# KiCad board Entrex Trapezoid Backplane v17.kicad_pcb (continued)
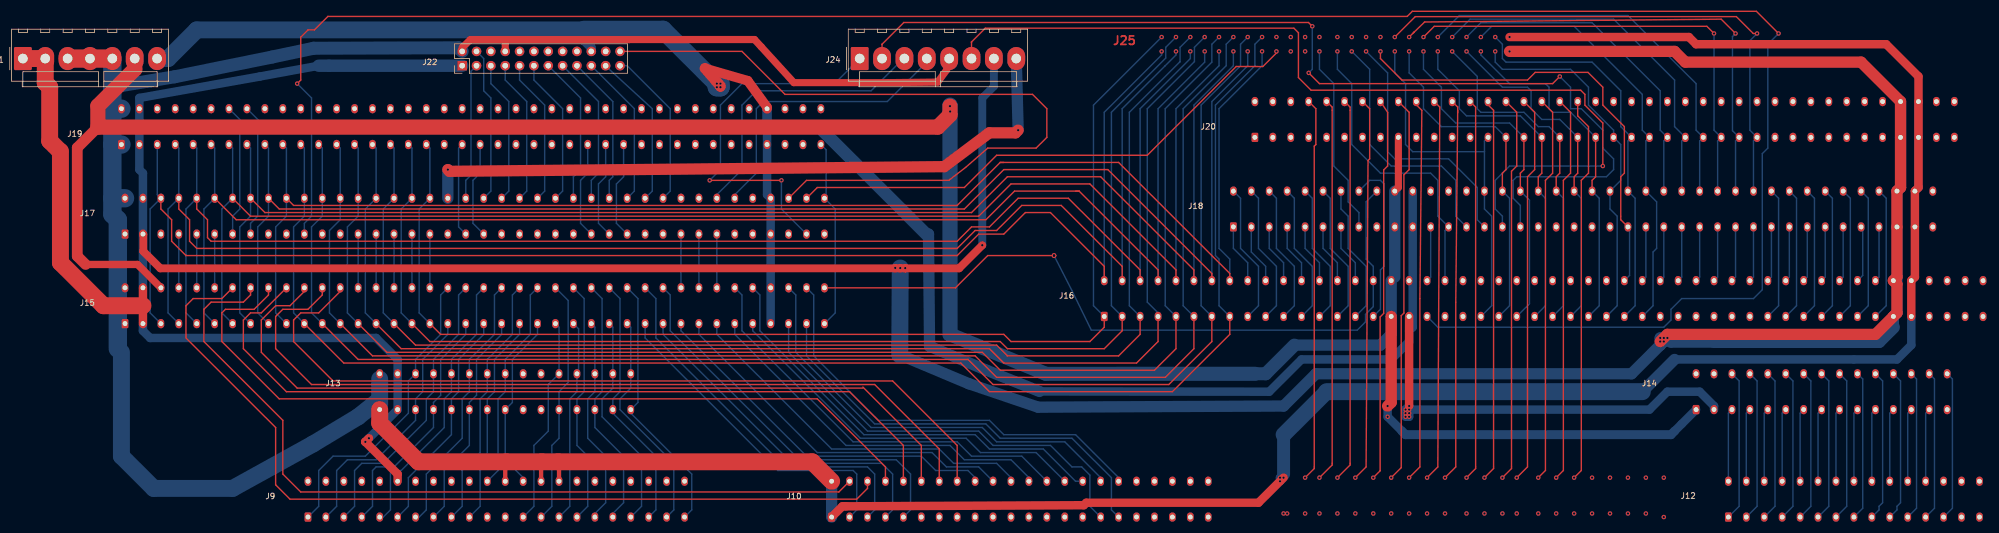
[diagram p0: board, top side]
## Routing (per net, layer and track width the routed paths; a pad name or vN(x,y) marks a point on that pad's centre or on a via; arc(x,y) is an arc through that point) (continued)
Composite_Video: length 165
  Top w0.25: v1(279.7,62.23) 279.7,69.85 276.52,73.03 276.52,74.93 275.78,75.67 228.05,75.67 225.81,77.91 225.81,85.86 225,86.67 170.39,86.67 167.92,84.2 167.94,84.18 J24.6
  Bottom w0.25: v1(279.7,62.23) 263.19,62.23 260.65,59.69 260.65,54.61 261.92,53.34 J18.31
J9_1: length 54.2
  Bottom w0.25: J15.38 73.96,39.37 73.96,32.39 69.52,27.94 J13.6 68.25,24.13 68.25,18.42 60.62,10.8 54.91,10.8 52.37,8.25 52.37,1.91 J9.1
J9_3: length 46.2
  Bottom w0.25: J15.37 75.23,32.39 70.78,27.94 70.78,22.23 69.52,20.96 J13.5 69.52,17.15 62.53,10.16 57.45,10.16 55.55,8.25 55.55,1.91 J9.3
J9_5: length 51.8
  Bottom w0.25: J9.5 58.72,1.91 58.72,8.25 59.99,9.53 63.8,9.53 71.42,17.15 71.42,20.96 72.69,22.23 J13.8 72.69,27.94 77.14,32.39 77.14,39.37 J15.40
J9_7: length 43.8
  Bottom w0.25: J9.7 61.9,1.91 61.9,8.25 62.53,8.89 65.71,8.89 72.69,15.88 J13.7 72.69,20.32 73.96,21.59 73.96,27.94 78.41,32.39 J15.39
J9_9: length 49.8
  Bottom w0.25: J15.42 80.31,39.37 80.31,32.39 75.87,27.94 J13.10 75.87,22.23 74.59,20.96 74.59,15.88 66.97,8.25 65.07,8.25 65.07,1.27 63.8,0 J9.9
J9_11: length 40.6
  Bottom w0.25: J9.11 68.25,1.91 68.25,6.99 75.87,14.61 J13.9 75.87,20.96 77.14,22.23 77.14,27.94 81.58,32.39 J15.41
J9_13: length 47.3
  Bottom w0.25: J15.44 83.49,39.37 83.49,32.39 79.04,27.94 J13.12 79.04,22.23 77.77,20.96 77.77,13.97 71.42,7.62 71.42,1.27 70.15,0 J9.13
J9_15: length 39.3
  Bottom w0.25: J9.15 74.59,1.91 74.59,8.25 79.04,12.7 J13.11 79.04,20.32 80.31,21.59 80.31,27.94 84.75,32.39 J15.43
J9_17: length 45.6
  Bottom w0.25: J15.46 86.66,39.37 86.66,32.39 82.22,27.94 J13.14 82.22,22.23 80.94,20.96 80.94,11.43 77.77,8.25 77.77,1.91 75.87,0
J9_19: length 38
  Bottom w0.25: J9.19 80.94,1.91 80.94,8.25 82.22,9.53 J13.13 82.22,20.96 83.49,22.23 83.49,27.94 87.93,32.39 J15.45
J9_22: length 38
  Bottom w0.25: 91.11,40.64 89.84,39.37 89.84,32.39 85.39,27.94 J13.16 85.39,22.23 84.12,20.96 84.12,8.25 J9.22
J9_25: length 37.2
  Bottom w0.25: J15.49 94.91,33.66 J13.22 93.01,23.5 93.01,15.24 90.47,12.7 90.47,1.91 J9.25
J9_26: length 31.6
  Bottom w0.25: 91.11,34.29 91.11,32.39 86.66,27.94 86.66,20.32 J13.15 85.39,10.16 88.56,6.99 J9.26
J9_27: length 43.6
  Bottom w0.25: J9.27 93.65,1.91 93.65,12.7 94.91,13.97 J13.21 94.91,22.23 96.53,23.84 96.53,38.39 J15.50
J9_29: length 36.1
  Bottom w0.25: J9.29 96.82,1.91 96.82,20.96 98.09,22.23 J13.24 98.38,25.69 98.38,33.37 J15.51
J9_31: length 43.5
  Bottom w0.25: J15.52 99.36,38.74 99.36,22.23 98.09,20.96 J13.23 98.09,12.7 100,10.8 100,1.91 J9.31
J9_33: length 37.2
  Bottom w0.25: 101.27,0 101.27,0.64 103.17,2.54 103.17,10.8 100,13.97 100,20.96 101.27,22.23 J13.26 101.27,33.66 J15.53
J9_35: length 44.8
  Bottom w0.25: J9.35 104.44,0.64 106.34,2.54 106.34,10.8 101.27,15.88 J13.25 101.27,20.96 102.53,22.23 102.53,38.74 J15.54
J9_37: length 39
  Bottom w0.25: J9.37 109.52,1.91 109.52,10.8 102.53,17.78 102.53,20.96 104.44,22.86 J13.28 104.44,33.66 J15.55
J9_39: length 45.6
  Bottom w0.25: J9.39 112.06,1.27 112.06,10.8 104.44,18.42 J13.27 104.44,20.96 105.71,22.23 105.71,38.74 J15.56
J9_41: length 39.8
  Bottom w0.25: J15.57 107.62,33.66 J13.30 107.62,22.86 105.71,20.96 105.71,19.05 115.24,9.53 115.24,1.27 J9.41
J9_43: length 47
  Bottom w0.25: J15.58 108.89,38.74 108.89,20.32 J13.29 107.62,18.42 118.41,7.62 118.41,1.27 J9.43
J10_3_Prntr: length 58.1
  Bottom w0.25: J10.3 147.62,1.27 147.62,7.62 146.98,8.25 133.65,8.25 110.16,31.75 J15.59
J10_4_Prntr: length 148
  Top w0.25: J15.16 40.31,39.37 39.03,38.1 33.32,38.1 32.05,36.83 32.05,31.12 46.02,17.15 46.02,7.62 49.19,4.44 144.45,4.44 J10.4
J10_5_Prntr: length 66.6
  Bottom w0.25: J15.60 112.06,38.74 112.06,31.75 134.92,8.89 149.53,8.89 150.79,7.62 150.79,1.27 J10.5
J10_6_Prntr: length 155.8
  Top w0.25: J15.14 35.22,38.74 30.15,38.74 28.88,37.47 28.88,31.75 44.75,15.88 44.75,5.72 47.29,3.18 147.62,3.18 149.53,5.08 J10.6
J10_7_Prntr: length 60.9
  Bottom w0.25: J10.7 153.97,1.27 153.97,7.62 152.07,9.53 136.19,9.53 113.33,32.39 J15.61
J10_8_Prntr: length 145.1
  Top w0.25: J15.18 43.48,39.37 40.94,36.83 35.86,36.83 35.22,36.2 35.22,31.12 45.39,20.96 140.64,20.96 152.7,8.89 J10.8
J10_9_Prntr: length 69.4
  Bottom w0.25: J10.9 157.15,1.27 157.15,7.62 154.6,10.16 137.46,10.16 114.6,33.02 114.6,39.37 J15.62
J10_10_Prntr: length 145.4
  Top w0.25: J15.20 42.21,36.2 40.31,36.2 39.03,34.93 39.03,29.85 46.66,22.23 146.35,22.23 155.88,12.7 J10.10
J10_12_Prntr: length 146.2
  Top w0.25: 148.71,23.05 159.05,12.7 J10.12 ; 148.71,22.86 48.56,22.86 42.21,29.21 42.21,34.93 44.75,37.47 47.29,37.47 49.83,40.01 J15.22
J10_14_Prntr: length 147.4
  Top w0.25: J15.24 53,39.37 50.47,36.83 46.02,36.83 44.75,35.56 44.75,29.85 51.1,23.5 150.79,23.5 162.22,12.07 J10.14
J10_16_Prntr: length 146.3
  Top w0.25: J10.16 165.4,12.7 153.97,24.13 54.91,24.13 47.93,31.12 47.93,34.93 49.19,36.2 52.37,36.2 56.18,40.01 J15.26
J10_18_Prntr: length 64.8
  Bottom w0.25: J15.63 116.5,33.02 138.73,10.8 159.05,10.8 161.59,8.25 167.3,8.25 168.58,6.99 J10.18
J10_20_Prntr: length 64.8
  Bottom w0.25: J10.20 169.21,8.89 163.5,8.89 160.96,11.43 140.64,11.43 119.68,32.39 J15.65
J10_22_Prntr: length 65.1
  Bottom w0.25: J10.22 174.92,6.99 172.39,9.53 164.77,9.53 162.22,12.07 143.17,12.07 122.86,32.39 J15.67
J10_24_Prntr: length 65.1
  Bottom w0.25: J10.24 178.1,6.99 174.92,10.16 166.67,10.16 164.13,12.7 145.72,12.7 126.03,32.39 J15.69
J10_26_Prntr: length 73.2
  Bottom w0.25: J10.26 176.83,10.8 167.94,10.8 165.4,13.34 146.98,13.34 127.3,33.02 127.3,39.37 J15.70
J10_28_Prntr: length 67.6
  Bottom w0.25: J10.28 179.37,11.43 169.53,11.43 166.99,13.97 148.26,13.97 129.21,33.02 J15.71
J10_30_Prntr: length 76.3
  Bottom w0.25: J10.30 186.35,6.35 180.64,12.07 171.11,12.07 168.58,14.61 148.89,14.61 130.47,33.02 130.47,39.37 J15.72
J10_31_Prntr: length 75.7
  Bottom w0.25: J10.31 188.9,1.91 188.9,7.43 187.44,8.89 185.72,8.89 181.91,12.7 171.75,12.7 169.21,15.24 149.53,15.24 135.56,29.21 J15.75
J10_32_Prntr: length 75.8
  Bottom w0.25: J10.32 190.8,6.99 184.45,13.34 172.39,13.34 169.84,15.88 150.16,15.88 136.83,29.21 136.83,39.37 J15.76
J10_33_Prntr: length 76.1
  Bottom w0.25: 193.97,0 192.71,1.27 192.71,6.99 185.72,13.97 173.02,13.97 170.48,16.51 150.79,16.51 138.73,28.58 J15.77
J10_34_Prntr: length 76.1
  Bottom w0.25: 193.97,6.35 193.97,6.99 189.53,11.43 ; 189.53,11.43 186.35,14.61 173.66,14.61 171.11,17.15 151.43,17.15 140,28.58 140,39.37 J15.78
J12_1: length 26.7
  Bottom w0.25: J12.1 303.83,1.91 303.83,24.13 J14.6
J12_2: length 13
  Bottom w0.25: J14.5 301.92,18.42 J12.2
J12_3: length 26.7
  Bottom w0.25: J12.3 307,1.91 307,24.13 J14.8
J12_4: length 13
  Bottom w0.25: J14.7 305.1,18.42 J12.4
J12_5: length 26.7
  Bottom w0.25: J14.10 310.18,24.13 310.18,1.91 J12.5
J12_6: length 13
  Bottom w0.25: J12.6 308.27,18.42 J14.9
J12_7: length 26.7
  Bottom w0.25: J14.12 313.36,24.13 313.36,1.91 J12.7
J12_8: length 13
  Bottom w0.25: J12.8 311.45,18.42 J14.11
J12_9: length 26.7
  Bottom w0.25: J12.9 316.53,1.91 316.53,24.13 J14.14
J12_10: length 13
  Bottom w0.25: J14.13 314.62,18.42 J12.10
J12_11: length 26.7
  Bottom w0.25: J12.11 319.71,1.91 319.71,24.13 J14.16
J12_12: length 13
  Bottom w0.25: J12.12 317.8,18.42 J14.15
J12_13: length 26.7
  Bottom w0.25: 320.98,0 322.88,1.91 322.88,24.13 J14.18
J12_14: length 13
  Bottom w0.25: 320.98,6.35 320.98,18.42 J14.17
J12_15: length 26.4
  Bottom w0.25: J12.15 325.71,1.56 325.71,24.48 J14.20
J12_16: length 13
  Bottom w0.25: J12.16 324.15,18.42 J14.19
J12_17: length 26.7
  Bottom w0.25: J12.17 328.6,1.27 328.6,1.91 329.23,2.54 329.23,24.13 J14.22
J12_18: length 13
  Bottom w0.25: J14.21 327.33,18.42 J12.18
J12_19: length 26.7
  Bottom w0.25: J14.24 332.4,24.13 332.4,2.54 331.77,1.91 331.77,1.27 J12.19
J12_20: length 13
  Bottom w0.25: J12.20 330.5,18.42 J14.23
J12_21: length 26.4
  Bottom w0.25: J14.26 335.24,24.48 335.24,1.56 333.67,0
J12_22: length 13
  Bottom w0.25: J14.25 333.67,18.42 333.67,6.35
J12_23: length 26.4
  Bottom w0.25: J14.28 338.41,24.48 338.41,1.56 J12.23
J12_24: length 13
  Bottom w0.25: J12.24 336.85,18.42 J14.27
J12_25: length 26.4
  Bottom w0.25: J14.30 341.59,24.48 341.59,1.56 J12.25
J16_37: length 412.5
  Top w0.25: v1(48.56,76.84) 49.19,77.47 49.19,85.09 50.47,86.36 51.61,86.36 54,88.75 245.07,88.75 245.98,89.66 306.88,89.66 v1(310.82,85.73)
  Bottom w0.25: J16.37 250.49,33.66 290.5,33.66 291.76,34.93 291.76,36.83 293.67,38.74 306.37,38.74 307.93,40.3 307.93,64.43 308.91,65.41 308.91,83.82 v1(310.82,85.73) ; J17.21 49.83,52.07 51.1,53.34 51.1,74.3 v1(48.56,76.84)
J17_6: length 262.6
  Top w0.25: J16.2 191.44,44.45 181.91,53.98 177.47,53.98 173.66,50.17 169.21,50.17 165.4,46.36 28.88,46.36 26.34,48.9 26.34,52.71 24.43,54.61 J17.6
  Bottom w0.25: J16.2 191.44,71.76 201.59,81.92 v1(201.59,82.55) ; J19.5 23.8,57.15 J17.6 22.53,54.61 22.53,36.2 J15.5
J17_7: length 9.5
  Bottom w0.25: 27.61,50.17 27.61,40.64
J17_8: length 262.4
  Top w0.25: J16.4 194.61,44.45 183.82,55.25 176.83,55.25 172.39,50.8 168.58,50.8 165.4,47.62 30.78,47.62 29.51,48.9 29.51,52.71 27.61,54.61 27.61,56.52
  Bottom w0.25: J16.4 194.61,72.39 202.23,80.01 202.23,80.01 204.14,81.91 v1(204.14,82.55) ; J19.7 27.61,65.41 27.61,56.52 25.7,54.61 25.7,36.2 27.61,34.29
J17_9: length 9.5
  Bottom w0.25: J17.9 J15.10
J17_10: length 261.4
  Top w0.25: J16.6 197.78,43.82 185.09,56.52 176.2,56.52 171.11,51.44 167.94,51.44 165.4,48.9 33.32,48.9 32.69,49.53 32.69,52.71 30.78,54.61 J17.10
  Bottom w0.25: J16.6 197.78,72.39 206.67,81.28 v1(206.67,82.55) ; J19.9 30.78,65.41 J17.10 28.88,54.61 28.88,36.2 J15.9
J17_11: length 9.5
  Bottom w0.25: J17.11 J15.12
J17_12: length 256.7
  Top w0.25: 186.99,57.79 200.96,43.82 J16.8 ; 186.99,57.79 175.56,57.79 170.48,52.71 37.77,52.71 J17.12 ; 186.99,57.79 186.35,57.79
  Bottom w0.25: J19.11 33.96,65.41 J17.12 32.05,54.61 32.05,36.2 J15.11 ; v1(209.22,82.55) 209.22,80.65 200.96,72.39 J16.8
J17_13: length 23.5
  Bottom w0.25: J17.13 37.13,53.34 38.4,54.61 38.4,70.49 J19.14
J17_14: length 256.3
  Top w0.25: J17.14 40.31,53.34 169.21,53.34 174.92,59.06 188.9,59.06 204.14,43.82 J16.10
  Bottom w0.25: v1(211.76,82.55) 211.76,80.01 204.14,72.39 J16.10 ; J15.13 35.22,36.2 35.22,54.61 J17.14 37.13,65.41 J19.13
J17_15: length 23.5
  Bottom w0.25: J19.16 41.58,70.49 41.58,53.34 40.31,52.07 J17.15
J17_16: length 256.6
  Top w0.25: J17.16 42.84,53.98 167.94,53.98 174.29,60.33 190.8,60.33 207.31,43.82 J16.12
  Bottom w0.25: J19.15 40.31,65.41 J17.16 40.31,53.34 38.4,51.44 38.4,36.2 J15.15 ; v1(214.29,82.55) 214.29,80.01 207.31,73.03 J16.12
J17_18: length 256.4
  Top w0.25: J16.14 210.48,43.18 192.07,61.6 173.66,61.6 166.67,54.61 45.39,54.61 J17.18
  Bottom w0.25: J19.17 43.48,65.41 J17.18 43.48,53.34 41.58,51.44 41.58,36.2 J15.17 ; v1(216.84,82.55) 216.84,80.01 210.48,73.66 J16.14
J17_20: length 258.9
  Top w0.25: 173.02,62.87 193.97,62.87 213.66,43.18 J16.16 ; 173.02,62.87 173.66,62.87 ; 173.02,62.87 165.4,55.25 47.93,55.25 J17.20
  Bottom w0.25: J16.16 213.66,45.72 211.76,47.62 211.76,72.39 219.38,80.01 v1(219.38,82.55) ; J15.19 44.75,36.2 44.75,51.44 46.66,53.34 J17.20 46.66,65.41 J19.19
J17_22: length 263.8
  Top w0.25: J16.15 213.66,32.39 203.5,22.23 171.11,22.23 166.03,27.31 56.81,27.31 J15.21
  Bottom w0.25: J15.21 47.93,36.2 47.93,51.44 49.83,53.34 J17.22 49.83,65.41 49.19,66.04 ; J16.15 211.76,37.47 211.76,45.72 211.12,46.36 211.12,73.03 218.1,80.01 218.1,83.82 v1(219.38,85.09)
J17_24: length 256.9
  Top w0.25: J16.13 210.48,31.12 202.86,23.5 171.75,23.5 167.3,27.94 59.36,27.94 J15.23
  Bottom w0.25: J16.13 208.58,37.47 208.58,73.03 215.57,80.01 215.57,83.82 v1(216.84,85.09) ; J19.23 53,65.41 J17.24 53,53.34 51.1,51.44 51.1,36.2 J15.23
J17_26: length 250.5
  Top w0.25: J16.11 207.31,29.85 202.23,24.77 172.39,24.77 168.58,28.58 61.9,28.58 J15.25
  Bottom w0.25: v1(214.29,85.09) 213.03,83.82 213.03,80.01 205.41,72.39 205.41,37.47 J16.11 ; J19.25 56.18,65.41 J17.26 56.18,52.71 54.28,50.8 54.28,36.2 J15.25
J17_27: length 9.5
  Bottom w0.25: J17.27 J15.28
J17_28: length 243.3
  Top w0.25: J15.27 64.44,29.21 169.84,29.21 173.02,26.04 200.33,26.04 204.14,29.85 J16.9
  Bottom w0.25: J19.27 59.36,65.41 J17.28 59.36,53.34 57.45,51.44 57.45,36.2 J15.27 ; v1(211.76,85.09) 210.48,83.82 210.48,80.65 202.23,72.39 202.23,37.47 J16.9
J17_29: length 9.5
  Bottom w0.25: J17.29 J15.30
J17_30: length 235.5
  Top w0.25: J16.7 200.96,31.12 197.15,27.31 173.66,27.31 171.11,29.85 66.97,29.85 J15.29
  Bottom w0.25: v1(209.22,85.09) 207.4,83.28 207.4,80.74 199.05,72.39 199.05,38.1 200.96,36.2 J16.7 ; J15.29 60.62,36.2 60.62,54.61 J17.30 62.53,65.41 J19.29
J17_31: length 9.5
  Bottom w0.25: J17.31 J15.32
J17_32: length 227.6
  Top w0.25: J16.5 197.78,32.39 193.97,28.58 174.29,28.58 172.39,30.48 69.52,30.48 J15.31
  Bottom w0.25: J16.5 195.88,37.47 195.88,71.75 204.77,80.64 204.77,80.65 204.86,80.74 204.86,83.28 v1(206.67,85.09) ; J15.31 63.8,36.2 63.8,54.61 J17.32 65.71,65.41 J19.31
J17_33: length 9.5
  Bottom w0.25: J17.33 J15.34
J17_34: length 220.1
  Top w0.25: J16.3 194.61,33.02 191.44,29.85 174.29,29.85 173.02,31.12 72.06,31.12 J15.33
  Bottom w0.25: v1(204.14,85.09) 202.32,83.28 202.32,81.37 192.71,71.76 192.71,37.47 J16.3 ; J15.33 66.97,36.2 66.97,54.61 J17.34 68.88,65.41 J19.33
J17_35: length 9.5
  Bottom w0.25: J17.35 J15.36
J17_36: length 212.6
  Top w0.25: J16.1 191.44,33.66 188.9,31.12 174.92,31.12 173.66,32.39 73.96,32.39 J15.35
  Bottom w0.25: v1(201.59,85.09) 189.53,73.03 189.53,37.47 J16.1 ; J19.35 72.06,65.41 J17.36 70.15,54.61 70.15,36.2 J15.35
J17_39: length 16.7
  Bottom w0.25: J17.39 77.14,51.44 77.14,65.41 J19.39
J17_41: length 17.2
  Bottom w0.25: J17.41 79.68,52.07 79.68,59.69 80.94,60.96 J19.41
J17_53: length 17.2
  Bottom w0.25: J17.53 98.72,52.07 98.72,59.69 100,60.96 J19.53
J17_55: length 17.2
  Bottom w0.25: J17.55 101.9,52.07 101.9,59.06 103.17,60.33 J19.55
J17_57: length 17.2
  Bottom w0.25: J19.57 106.34,60.33 105.08,59.06 105.08,52.07 J17.57
J17_63: length 9.5
  Bottom w0.25: J17.63 J15.64
J17_65: length 9.5
  Bottom w0.25: J17.65 J15.66
J17_67: length 9.5
  Bottom w0.25: J17.67 J15.68
J17_78: length 94.1
  Top w0.25: J17.78 140.64,58.42 166.67,58.42 172.39,64.14 199.05,64.14 214.79,79.87 216.84,79.87 219.51,79.86 221.91,82.27 v1(221.91,82.55)
J17_80: length 33.8
  Bottom w0.25: J19.79 142.2,65.12 142.2,56.81 J17.80 143.81,54.61 143.81,36.2 J15.79
J18_1: length 10.6
  Bottom w0.25: J16.18 216.84,45.09 214.29,47.62 214.29,51.44
J18_2: length 24.9
  Bottom w0.25: 214.29,57.79 215.57,56.52 215.57,47.62 218.74,44.45 218.74,37.47 J16.17
J18_3: length 10.6
  Bottom w0.25: J18.3 217.47,46.99 220.01,44.45 J16.20
J18_4: length 24.9
  Bottom w0.25: J16.19 221.91,37.47 221.91,44.45 218.74,47.62 218.74,56.52 217.47,57.79
J18_5: length 10.6
  Bottom w0.25: J16.22 223.19,45.09 220.65,47.62 J18.5
J18_6: length 24.9
  Bottom w0.25: J16.21 225.09,37.47 225.09,44.45 221.91,47.62 221.91,56.52 220.65,57.79
J18_7: length 10.6
  Bottom w0.25: J18.7 223.82,47.62 226.36,45.09 J16.24
J18_8: length 24.9
  Bottom w0.25: 223.82,57.79 225.09,56.52 225.09,47.62 228.27,44.45 228.27,37.47 J16.23
J18_9: length 10.6
  Bottom w0.25: J16.26 229.53,45.09 227,47.62 J18.9
J18_10: length 24.9
  Bottom w0.25: 227,57.79 228.27,56.52 228.27,47.62 231.44,44.45 231.44,37.47 J16.25
J18_11: length 10.6
  Bottom w0.25: J16.28 232.71,45.09 230.17,47.62 J18.11
J18_12: length 24.9
  Bottom w0.25: J16.27 234.61,37.47 234.61,44.45 231.44,47.62 231.44,56.52 230.17,57.79
J18_13: length 10.6
  Bottom w0.25: J16.30 235.89,45.09 233.34,47.62 J18.13
J18_14: length 24.9
  Bottom w0.25: 233.34,57.79 233.34,54.61 234.61,53.34 234.61,47.62 237.79,44.45 237.79,37.47 J16.29
J18_15: length 34
  Bottom w0.25: J18.15 236.52,53.98 234.61,55.88 234.61,59.69 232.08,62.23 232.08,76.84 229.53,79.38 v1(229.53,82.55)
J18_16: length 29.8
  Bottom w0.25: 236.52,57.79 238.42,59.69 240.33,59.69 240.97,59.06 240.97,44.45 240.33,43.82 240.33,36.83 J16.31
J18_18: length 132
  Top w0.25: J15.80 165.09,40.64 170.8,46.36 v1(182.54,46.36)
  Bottom w0.25: v1(182.54,46.36) 185.7,40.18 189.15,33.13 236.21,33.13 237.69,34.61 237.69,35.93 239.06,37.3 J16.32 239.06,44.45 237.79,45.72 237.79,55.88 239.7,57.79
J18_23: length 9.8
  Bottom w0.25: J16.38 249.22,42.55 J18.23
J18_25: length 54.3
  Bottom w0.25: J16.40 251.76,50.8 J18.25 250.49,53.34 250.49,59.69 249.22,60.96 240.33,60.96 235.25,66.04 235.25,76.84 232.71,79.38 v1(232.71,82.55)
J18_27: length 44.7
  Bottom w0.25: J18.27 253.66,53.34 253.66,59.69 251.13,62.23 242.23,62.23 238.42,66.04 238.42,79.38 v1(235.25,82.55)
J18_29: length 45.4
  Bottom w0.25: J18.29 257.48,52.71 257.48,58.42 252.4,63.5 242.87,63.5 241.6,64.77 241.6,78.74 v1(237.79,82.55)
J18_30: length 65.1
  Bottom w0.25: J16.43 260.01,37.47 260.01,53.34 258.75,54.61 258.75,64.77 ; 258.75,64.77 258.75,66.68 J20.27 ; 258.75,64.77 246.04,64.77 244.78,66.04 244.78,76.84 242.87,78.74 v1(242.87,82.55)
J18_32: length 61.2
  Top w0.25: J20.29 262.55,61.6 261.92,60.96 261.92,57.79
  Bottom w0.25: 261.92,57.79 263.19,56.52 263.19,37.47 J16.45 ; v1(245.41,82.55) 245.41,78.74 247.95,76.2 247.95,72.39 251.13,69.22 260.65,69.22 J20.29
J18_34: length 61.8
  Top w0.25: J20.31 265.73,61.6 265.1,60.96 265.1,57.79
  Bottom w0.25: J16.47 266.71,37.81 266.71,56.17 265.1,57.79 ; J20.31 263.19,69.85 253.66,69.85 251.13,72.39 251.13,76.2 247.95,79.38 v1(247.95,82.55)
J18_36: length 61.8
  Top w0.25: 268.27,57.79 268.27,60.33 268.9,60.96 J20.33
  Bottom w0.25: v1(250.49,82.55) 250.49,79.38 254.3,75.56 254.3,72.39 255.57,71.12 265.1,71.12 J20.33 ; 268.27,57.79 269.54,56.52 269.54,37.47 J16.49
J18_38: length 62
  Top w0.25: 271.45,57.79 271.45,60.33 272.08,60.96 J20.35
  Bottom w0.25: v1(253.03,82.55) 257.48,78.11 257.48,72.39 258.11,71.76 265.73,71.76 268.27,69.22 270.17,69.22 J20.35 ; J16.51 272.72,37.47 272.72,56.52 271.45,57.79
J18_40: length 61.3
  Top w0.25: J20.37 275.25,60.96 274.62,60.33 274.62,57.79
  Bottom w0.25: 274.62,57.79 275.89,56.52 275.89,37.47 J16.53 ; 255.66,82.46 v1(255.57,82.55) 261.92,76.2 266.37,76.2 267,75.56 267,72.39 268.9,70.49 272.08,70.49 J20.37
J18_42: length 62.6
  Top w0.25: 277.79,57.79 277.79,59.69 278.43,60.33 J20.39
  Bottom w0.25: J16.55 279.07,37.47 279.07,56.52 277.79,57.79 ; J20.39 273.99,71.76 270.81,71.76 270.17,72.39 270.17,76.2 269.54,76.84 263.19,76.84 258.11,81.92 v1(258.11,82.55)
J18_44: length 65.4
  Bottom w0.25: v1(260.65,82.55) 260.65,80.65 261.92,79.38 273.99,79.38 277.16,76.2 277.16,73.03 281.61,68.58 J20.41 282.88,66.04 282.88,59.69 280.97,57.79 280.97,54.61 282.24,53.34 282.24,37.47 J16.57
J18_45: length 81
  Top w0.25: v1(240.33,82.55) 240.33,81.28 244.14,77.47 266.37,77.47 267.73,78.83 277.07,78.83 279.7,76.2 279.7,73.03 283.51,69.22 283.51,60.96 282.88,60.33 282.88,52.71 J18.45
  Bottom w0.25: J16.60 284.44,42.84 284.44,51.15 J18.45
J18_46: length 70
  Bottom w0.25: J16.59 285.41,37.47 285.41,56.52 284.14,57.79 284.14,66.68 J20.43 282.88,69.22 282.88,75.56 277.79,80.65 262.55,80.65 261.92,81.28 261.92,83.82 v1(260.65,85.09)
J18_47: length 9.8
  Bottom w0.25: J16.62 287.32,42.55 J18.47
J18_48: length 76.4
  Bottom w0.25: v1(258.11,85.09) 260.01,87 274.62,87 286.69,74.93 286.69,68.58 J20.45 287.32,66.68 287.32,57.79 289.23,55.88 289.23,47.62 288.59,46.99 288.59,37.47 J16.61
J18_49: length 9.8
  Bottom w0.25: J18.49 290.5,42.55 J16.64
J18_50: length 58.9
  Bottom w0.25: v1(255.57,85.09) 258.11,87.63 277.79,87.63 289.86,75.56 289.86,68.58 J20.47 290.5,66.68 290.5,57.79
J18_51: length 9.8
  Bottom w0.25: J18.51 293.67,42.55 J16.66
J18_52: length 65.9
  Bottom w0.25: 293.67,57.79 293.67,66.68 J20.49 292.4,69.22 292.4,77.47 281.61,88.27 256.21,88.27 v1(253.03,85.09)
J18_53: length 9.8
  Bottom w0.25: J18.53 296.85,42.55 J16.68
J18_54: length 72.1
  Bottom w0.25: v1(250.49,85.09) 254.3,88.9 284.14,88.9 296.21,76.84 296.21,68.58 J20.51 296.85,66.68 296.85,57.79
J18_55: length 9.8
  Bottom w0.25: J18.55 300.02,42.55 J16.70
J18_56: length 81.5
  Top w0.25: v1(299.38,85.73) 298.12,87 249.85,87 v1(247.95,85.09)
  Bottom w0.25: v1(299.38,85.73) 299.38,68.58 J20.53 300.02,66.68 300.02,57.79
J18_57: length 9.8
  Bottom w0.25: J16.72 303.2,42.55 J18.57
J18_58: length 89.2
  Top w0.25: 246.31,85.99 248.15,87.76 300.65,88.27 v1(303.2,85.73) ; 246.31,85.99 246.04,85.73 ; 246.31,85.99 246.31,85.99 v1(245.41,85.09)
  Bottom w0.25: v1(303.2,85.73) 302.65,85.18 302.65,68.49 J20.55 303.2,66.68 303.2,57.79
J18_59: length 9.8
  Bottom w0.25: J18.59 306.37,42.55 305.74,41.91
J18_60: length 96.1
  Top w0.25: v1(307,85.73) 306.33,85.73 303.34,88.72 246.5,88.72 v1(242.87,85.09)
  Bottom w0.25: 306.37,57.79 306.37,66.68 307,67.31 305.74,68.58 305.74,84.46 v1(307,85.73)
J18_61: length 9.8
  Bottom w0.25: J18.61 309.54,42.55 J16.76
J18_62: length 23.5
  Bottom w0.25: J16.75 310.82,37.47 310.82,56.52 309.54,57.79
J18_63: length 9.8
  Bottom w0.25: J18.63 312.72,42.55 J16.78
J18_64: length 23.5
  Bottom w0.25: J16.77 313.99,37.47 313.99,56.52 312.72,57.79
J18_65: length 9.8
  Bottom w0.25: J18.65 315.89,42.55 J16.80
J18_66: length 23.5
  Bottom w0.25: J16.79 317.16,37.47 317.16,56.52 315.89,57.79
J18_67: length 9.8
  Bottom w0.25: J18.67 319.07,42.55 J16.82
J18_68: length 23.5
  Bottom w0.25: 319.07,57.79 320.34,56.52 320.34,37.47 J16.81
J18_69: length 9.8
  Bottom w0.25: J18.69 322.25,42.55 J16.84
J18_70: length 23.5
  Bottom w0.25: 322.25,57.79 323.51,56.52 323.51,37.47 J16.83
J18_71: length 10
  Bottom w0.25: J18.71 325.71,51.15 325.71,42.84 J16.86
J18_72: length 23.5
  Bottom w0.25: 325.42,57.79 326.69,56.52 326.69,37.47 J16.85
J18_73: length 9.8
  Bottom w0.25: 328.6,51.44 328.6,42.55 J16.88
J18_74: length 23.5
  Bottom w0.25: J16.87 329.87,37.47 329.87,56.52 328.6,57.79
J20_8: length 68
  Top w0.25: v1(227,6.99) 228.61,8.6 228.61,65.75 228.9,66.04 228.9,72.39 J20.8
J20_10: length 68
  Top w0.25: J20.10 231.78,72.68 231.78,9.24 v1(229.53,6.99)
J20_12: length 68
  Top w0.25: J20.12 234.96,72.68 234.96,9.24 v1(232.71,6.99)
J20_14: length 68.1
  Top w0.25: J20.14 238.42,72.39 238.42,63.5 238.14,63.21 237.79,8.89 v1(235.89,6.99)
J20_16: length 68.1
  Top w0.25: v1(239.06,6.99) 240.28,8.2 240.28,35.47 240.91,36.11 240.91,61.54 241.6,62.23 241.6,71.76 J20.16
J20_18: length 68.8
  Top w0.25: 243.51,73.66 245.41,71.76 245.41,61.6 244.48,60.67 244.48,36.17 244.01,35.69 244.01,8.76 v1(242.23,6.99)
J20_20: length 67.9
  Top w0.25: J20.20 246.68,73.08 247.66,72.1 247.32,38.74 247.32,8.89 v1(245.41,6.99)
J20_22: length 67.9
  Top w0.25: J20.22 250.84,72.68 250.49,8.89 v1(248.59,6.99)
J20_24: length 68.2
  Top w0.25: v1(251.76,6.99) 253.66,8.89 253.66,38.1 254.01,71.76 ; 254.01,71.76 254.01,72.68 J20.24 ; 254.01,71.76 254.01,72.1
J20_26: length 67.7
  Top w0.25: 256.21,73.66 257.19,72.68 257.19,8.6 v1(255.57,6.99)
J20_28: length 67.7
  Top w0.25: v1(258.75,6.99) 260.36,8.6 260.36,72.1 259.38,73.08 J20.28
J20_30: length 68.5
  Top w0.25: v1(261.92,6.99) 263.53,8.6 263.53,61.31 264.46,62.23 264.46,71.76 J20.30
J20_32: length 68.8
  Top w0.25: J20.32 267.63,71.76 267.63,61.6 266.37,60.33 266.37,8.89 v1(264.46,6.99)
J20_34: length 68.5
  Top w0.25: v1(268.27,6.99) 269.54,8.25 269.54,59.69 270.81,60.96 270.81,71.76 J20.34
J20_36: length 68.5
  Top w0.25: J20.36 273.99,71.76 273.99,60.96 272.72,59.69 272.72,8.25 v1(271.45,6.99)
J20_38: length 68.5
  Top w0.25: J20.38 275.25,71.12 277.16,69.22 277.16,60.96 275.89,59.69 275.89,8.25 v1(274.62,6.99)
J22_1_Keybd: length 26.7
  Bottom w0.25: J17.54 100.63,59.69 101.9,60.96 101.9,73.66 J22.15
J22_3_Keybd: length 24.3
  Bottom w0.25: J17.40 78.41,59.69 79.33,60.62 79.33,79.03 J22.3
J22_4_Keybd: length 27.6
  Bottom w0.25: J22.4 81.58,81.28 81.58,75.56 82.85,74.3 82.85,57.79 J17.42
J22_5_Keybd: length 25.3
  Bottom w0.25: J17.44 86.03,57.79 86.03,73.66 82.85,76.84 J22.5
J22_7_Keybd: length 25.6
  Bottom w0.25: J17.46 89.2,57.79 89.2,73.66 85.39,77.47 J22.7
J22_9_Keybd: length 25.9
  Bottom w0.25: 91.11,56.52 92.38,57.79 92.38,73.03 87.93,77.47 J22.9
J22_11_Keybd: length 26.1
  Bottom w0.25: J17.50 95.55,57.79 95.55,72.39 90.47,77.47 J22.11
J22_13_Keybd: length 26.4
  Bottom w0.25: J17.52 97.46,60.33 98.72,61.6 98.72,74.3 J22.13
J22_17_Keybd: length 26.4
  Bottom w0.25: J17.56 103.81,59.69 104.44,60.33 104.44,73.66 J22.17
J22_19_Keybd: length 27.2
  Bottom w0.25: J22.19 108.25,72.39 108.25,57.79 J17.58
J22_21_Keybd: length 27.6
  Bottom w0.25: J17.60 111.43,57.79 111.43,72.39 103.81,79.38 J22.21
J22_23_Keybd: length 28.4
  Bottom w0.25: J17.62 114.6,57.79 114.6,72.39 106.98,80.01 J22.23
J22_24_Keybd: length 134.7
  Top w0.25: J17.76 138.73,59.69 163.94,59.69 164.04,59.78 166.89,61.98 170.81,65.41 179.37,65.41 181.28,67.31 181.28,72.39 178.73,74.93 134.92,74.93 127.3,82.55 J22.24
J24_1-NC: length 66.3
  Top w0.25: v1(121.59,59.69) v1(134.28,59.69)
  Bottom w0.25: J17.77 134.28,54.61 v1(134.28,59.69) ; J24.1 143.7,76.84 127.3,76.84 123.49,73.03 123.49,61.6 v1(121.59,59.69)
J24_2-NC: length 183.8
  Top w0.25: v1(228.27,87) 227.59,87.67 155.95,87.67 152.09,83.81 152.1,83.8 J24.2 ; v1(272.08,78.11) 270.81,76.84 229.53,76.84 v1(227.63,78.74)
  Bottom w0.25: v1(272.08,78.11) 273.99,76.2 273.99,72.39 275.89,72.39 279.7,68.58 279.7,65.41 281.61,63.5 281.61,61.6 280.34,60.33 264.46,60.33 263.83,59.69 263.83,56.52 265.1,55.25 265.1,51.44 ; v1(228.27,87) 228.27,79.38 v1(227.63,78.74)
J24_3-unk-vid-9: length 50.5
  Bottom w0.25: J24.3 155.88,81.28 150.16,75.56 129.84,75.56 127.3,73.03 127.3,61.6 122.86,57.15 J17.68
J24_4-unk-vid-6: length 51.7
  Bottom w0.25: J24.4 160.02,80.65 153.03,73.66 131.11,73.66 129.84,72.39 129.84,60.96 126.03,57.15 J17.70
Speaker_POT: length 121.5
  Top w2: v1(176.2,68.58) 175.72,68.11 171.09,68.11 163.11,62.12 75.53,61.29 v1(75.23,61.6)
  Bottom w0.25: v1(176.2,68.58) 175.86,68.28
  Bottom w2: J17.38 v1(75.23,61.6) ; J24.8 v1(176.2,68.58)

## Text on the board
Top: J25
